# Altium PCB 58.13.0094_400_Rev00.PcbDoc (part 3 of 3)
Units mil, origin at the board's own origin, x right, y up, seen from the top; angles counter-clockwise.
Board outline 3149.45 x 3937.01 mil, 2 copper layers (Top Layer, Bottom Layer), stack 64.392 mil thick; 109 components, 100 nets, 482 pads, 698 vias.
Unrouted connection lines stored in the file: 3.
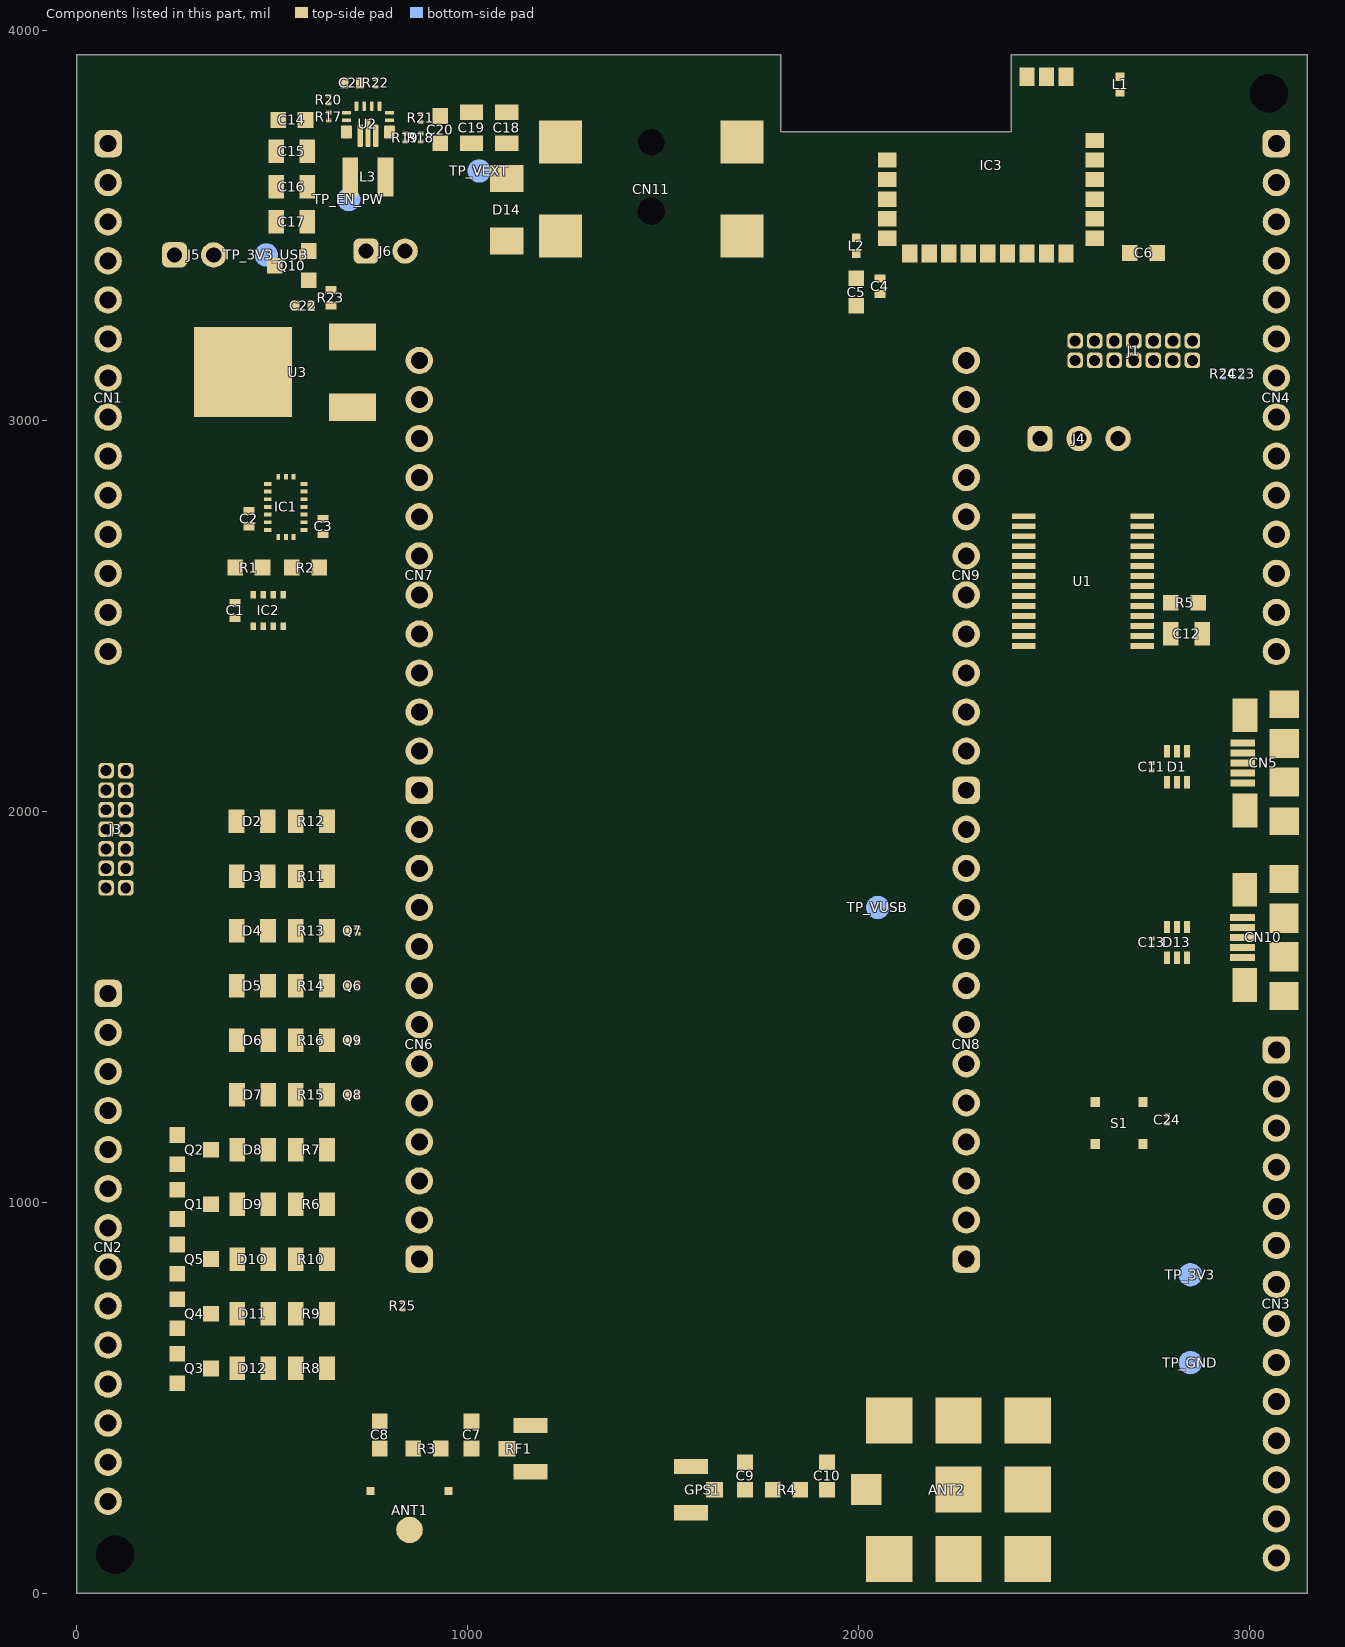
[diagram p3: the components of this part, seen from the top]

## Silkscreen, mask and mechanical layers (free items; w line width, h text height) (continued)
Drill Drawing:
  drawing of 169 lines, arcs and shapes, not listed
  text "ESPECIFICACAO DE FABRICACAO / MANUFACTURING SPECIFICATION" at 7869.29,6267.01 h70
  text "Material: 84200230 HP" at 8160.9,6044.86 h70
  text "Acabamento: ENIG" at 6034.87,6042.91 h70
  text "Material: 84200230 HP" at 8160.9,5869.86 h70
  text "Finish: ENIG" at 6034.87,5867.91 h70
  text "Linhas de impedancia controlada (X) sim    (  ) nao" at 8160.5,5645.86 h70
  text "Espessura entre camadas: 1,6mm" at 10910.5,5645.86 h70
  text "Metalizacao: (X) sim   (  ) nao" at 6034.43,5642.91 h70
  text "Controlled impedance lines (X) yes    (  ) no" at 8160.5,5470.86 h70
  text "Thickness between layers: 1,6mm" at 10910.5,5470.86 h70
  text "Plated-Through holes: (X) yes  (  ) no" at 6034.43,5467.91 h70
  text "Teste eletrico (X) sim (  ) nao" at 8160.5,5245.86 h70
  text "Cu:  min. 20um" at 6034.43,5242.91 h70
  text "Dimensoes minimas: Trilha 5mils Pad 18mils Isolacao 5mils" at 9836.32,5238.86 h70
  text "Electric Test  (X) yes (  ) no" at 8160.5,5070.86 h70
  text "Cu:  Min. thickness 20um" at 6034.43,5067.91 h70
  text "Minimum dimensions: Track 5mils Pad 18mils Gap 5mils" at 9836.32,5063.86 h70
  text "Cupom de teste (  ) sim   (X) nao" at 8160.5,4845.86 h70
  text "Classificacao da PCI: Classe 2 IPC-6012C" at 10260.5,4845.86 h70
  text "Contatos de borda: (  ) sim  (X) nao" at 6034.87,4842.91 h70
  text "Etiqueta de identificacao - 34.15.1362" at 1892.55,4775.22 h80
  text "Test coupon  (  ) yes   (X) no" at 8160.5,4670.86 h70
  text "PCB classification: Classe 2 IPC-6012C" at 10260.5,4670.86 h70
  text "Edge contacts: (  ) yes  (X) no" at 6034.87,4667.91 h70
  text "Identification tag - 34.15.1362" at 1887.55,4655.22 h80
  text "Mascara anti-solda Verde nos dois lados (X) sim  (  ) nao" at 8160.5,4445.86 h70
  text "Ni: min. 6um     Au: min. 0,8um" at 6034.87,4442.91 h70
  text "Green soldermask on both side (X) yes  (  ) no" at 8160.5,4270.86 h70
  text "Ni: min. 6um     Au: min. 0,8um" at 6034.87,4267.91 h70
  text "Mascara seletiva Branca (X) sim   (  ) nao" at 8160.5,4045.86 h70
  text "Tolerancia dos furos:  +/- 0,10mm" at 6034.43,4042.91 h70
  text "White markings (X) yes   (  ) no" at 8160.5,3870.86 h70
  text "Hole tolerance:   +/- 0,10mm" at 6034.43,3867.91 h70
  text "Empenamento maximo: 0,7%" at 11045.5,3695.86 h68
  text "Dimensoes em mm" at 8160.5,3645.86 h70
  text "Tolerancia geral: +/- 0,2mm" at 9335.5,3645.86 h70
  text "Maximum bending: 0,7%" at 11045.5,3570.86 h68
  text "Dimensions in mm" at 8160.5,3470.86 h70
  text "General tolerance: +/- 0,2mm" at 9335.5,3470.86 h70
  text "Is requested by 16262721 specification" at 11045.5,3450.86 h68
  text "Esp. do Cobre/Cu thickness" at 6375.5,3309.41 h48
  text "Camada" at 5979.06,3288.25 h60
  text "Referencia material" at 7524.13,3287.84 h60
  text "Esp. da isolacao" at 8541,3288.25 h60
  text "Empilhamento" at 9271.76,3288.25 h60
  text "Furacao" at 9887.14,3288.25 h60
  text "Esp. da placa" at 10246.18,3288.25 h60
  text "Impedancia" at 10849.93,3288.25 h60
  text "Informacoes adicionais" at 11620.77,3288.25 h60
  text "Impedance" at 10861.38,3179.92 h60
  text "Layer" at 6019.06,3178.59 h60
  text "Material reference" at 7549.82,3178.59 h60
  text "Insula. thickness" at 8554.82,3178.59 h60
  text "Stacking" at 9380.89,3178.59 h60
  text "Drilling" at 9916.34,3178.59 h60
  text "Thickness" at 10309.18,3178.59 h60
  text "Additional information" at 11597.14,3178.59 h60
  text "Base" at 6514.5,3163.41 h60
  text "Min." at 7021.5,3159.41 h60
  text "sim/yes" at 10929.29,2925.43 h60
  text "linhas 70 Ohms / lines 70 Ohms ( 60mils )" at 11356.5,2924.38 h50
  text "17,5um" at 6449.26,2920.92 h60
  text "01/04" at 6041.38,2918.92 h60
  text "33,4um" at 6941.26,2913.92 h60
  text "Par dif. / Diff. Pairs 49mils x 8mils (90 Ohms)" at 11356.5,2808.88 h46
  text "EPOXY HIGH PERFORMANCE" at 7391.5,2799.41 h55
  text "1,6mm" at 8679.27,2794.73 h60
  text "1" at 9996.38,2784.92 h70
  text "nao/no" at 10947.29,2682.01 h60
  text "02/04" at 6041.38,2680.92 h60
  text "17,5um" at 6449.26,2680.92 h60
  text "33,4um" at 6941.26,2673.92 h60
  text "1,65+/-10%" at 10486.38,2654.92 h40 r90
  text "Exigencias gerais / General requirements:" at 5997.5,2391.91 h70
  text "Exigencias especificas / Specific requirements: RF PCB to be controlled according 16261983 Specification" at 5997.06,2196.91 h70
  text "Preencher com o codigo do fornecedor" at 6461.38,1916.92 h80
  text "XXX" at 6164.08,1861.34 h70.87
  text "Fill in the supplier code" at 6461.38,1786.92 h80
  text "Data de fabricacao / Date code" at 6466.38,1601.92 h80
  text "XXXXXX" at 6033.17,1577.87 h60
  text "(    )" at 5961.32,1507.99 h110.24
  text "X / X" at 6068.61,1474.53 h60
  text "Painel e pos. no painel / Panel and position on the panel" at 6471.38,1471.92 h80
  text "Symbol" at 1897.5,-3047.5 h72
  text "Count" at 2342.29,-3047.5 h72
  text "Hole Size" at 2821.35,-3047.5 h72
  text "Plated" at 3766.59,-3047.5 h72
  text "Via/Pad" at 4150.71,-3047.5 h72
  text "EMISSAO INICIAL / FIRST ISSUE" at 6110.79,-3104.02 h51.18
  text "00" at 7557.64,-3104.02 h51.18
  text "D. Aguiar" at 8921.24,-3104.25 h51.18
  text "E. Rodrigues" at 9944.86,-3104.25 h51.18
  text "E. Rodrigues" at 10968.49,-3104.25 h51.18
  text "L. Degenhardt" at 11992.11,-3104.25 h51.18
  text "1" at 2342.29,-3197.5 h60
  text "66,93mil (1,700mm)" at 2821.35,-3197.5 h60
  text "NPTH" at 3766.59,-3197.5 h60
  text "Pad" at 4150.71,-3197.5 h60
  text "HISTORICO DA REVISAO / REVISION HISTORY" at 5979.29,-3304.8 h44.09
  text "REV." at 7530.08,-3304.8 h51.18
  text "DATA / DATE" at 8110.79,-3304.8 h51.18
  text "ELABORADO / ELABORATED" at 8882.44,-3304.8 h51.18
  text "VERIFICADO / CHECKED" at 9980.87,-3304.8 h51.18
  text "APROVADO / APPROVED" at 10984.8,-3304.8 h51.18
  text "QUALIDADE / QUALITY" at 12051.73,-3304.8 h51.18
  text "1" at 2342.29,-3347.5 h60
  text "70,87mil (1,800mm)" at 2821.35,-3347.5 h60
  text "NPTH" at 3766.59,-3347.5 h60
  text "Pad" at 4150.71,-3347.5 h60
  text "2" at 2342.29,-3497.5 h60
  text "20,00mil (0,508mm)" at 2821.35,-3497.5 h60
  text "PTH" at 3766.59,-3497.5 h60
  text "Via" at 4150.71,-3497.5 h60
  text "2" at 2342.29,-3647.5 h60
  text "98,43mil (2,500mm)" at 2821.35,-3647.5 h60
  text "NPTH" at 3766.59,-3647.5 h60
  text "Pad" at 4150.71,-3647.5 h60
  text "4" at 2342.29,-3797.5 h60
  text "12,00mil (0,305mm)" at 2821.35,-3797.5 h60
  text "PTH" at 3766.59,-3797.5 h60
  text "Via" at 4150.71,-3797.5 h60
  text "7" at 2342.29,-3947.5 h60
  text "39,00mil (0,991mm)" at 2821.35,-3947.5 h60
  text "PTH" at 3766.59,-3947.5 h60
  text "Pad" at 4150.71,-3947.5 h60
  text "28" at 2342.29,-4097.5 h60
  text "28,00mil (0,711mm)" at 2821.35,-4097.5 h60
  text "PTH" at 3766.59,-4097.5 h60
  text "Pad" at 4150.71,-4097.5 h60
  text "104" at 2342.29,-4247.5 h60
  text "43,31mil (1,100mm)" at 2821.35,-4247.5 h60
  text "PTH" at 3766.59,-4247.5 h60
  text "Pad" at 4150.71,-4247.5 h60
  text "692" at 2342.29,-4397.5 h60
  text "8,00mil (0,203mm)" at 2821.35,-4397.5 h60
  text "PTH" at 3766.59,-4397.5 h60
  text "Via" at 4150.71,-4397.5 h60
  text "841 Total" at 2342.29,-4547.5 h60
  text "003" at 8176.38,-4570.08 h102.36
  text "58.13.0094_003_Rev00" at 9251.38,-4570.08 h102.36
  text "01/01" at 12426.38,-4570.08 h102.36

## Dimensions
3149.45,3937.01 to 3051.02,3838.5 on Drill Drawing
1801.18,3937.01 to 1801.18,3740.16 on Drill Drawing